# Altium PCB KlusterLab r2.0.PcbDoc (part 14 of 22) (continued)
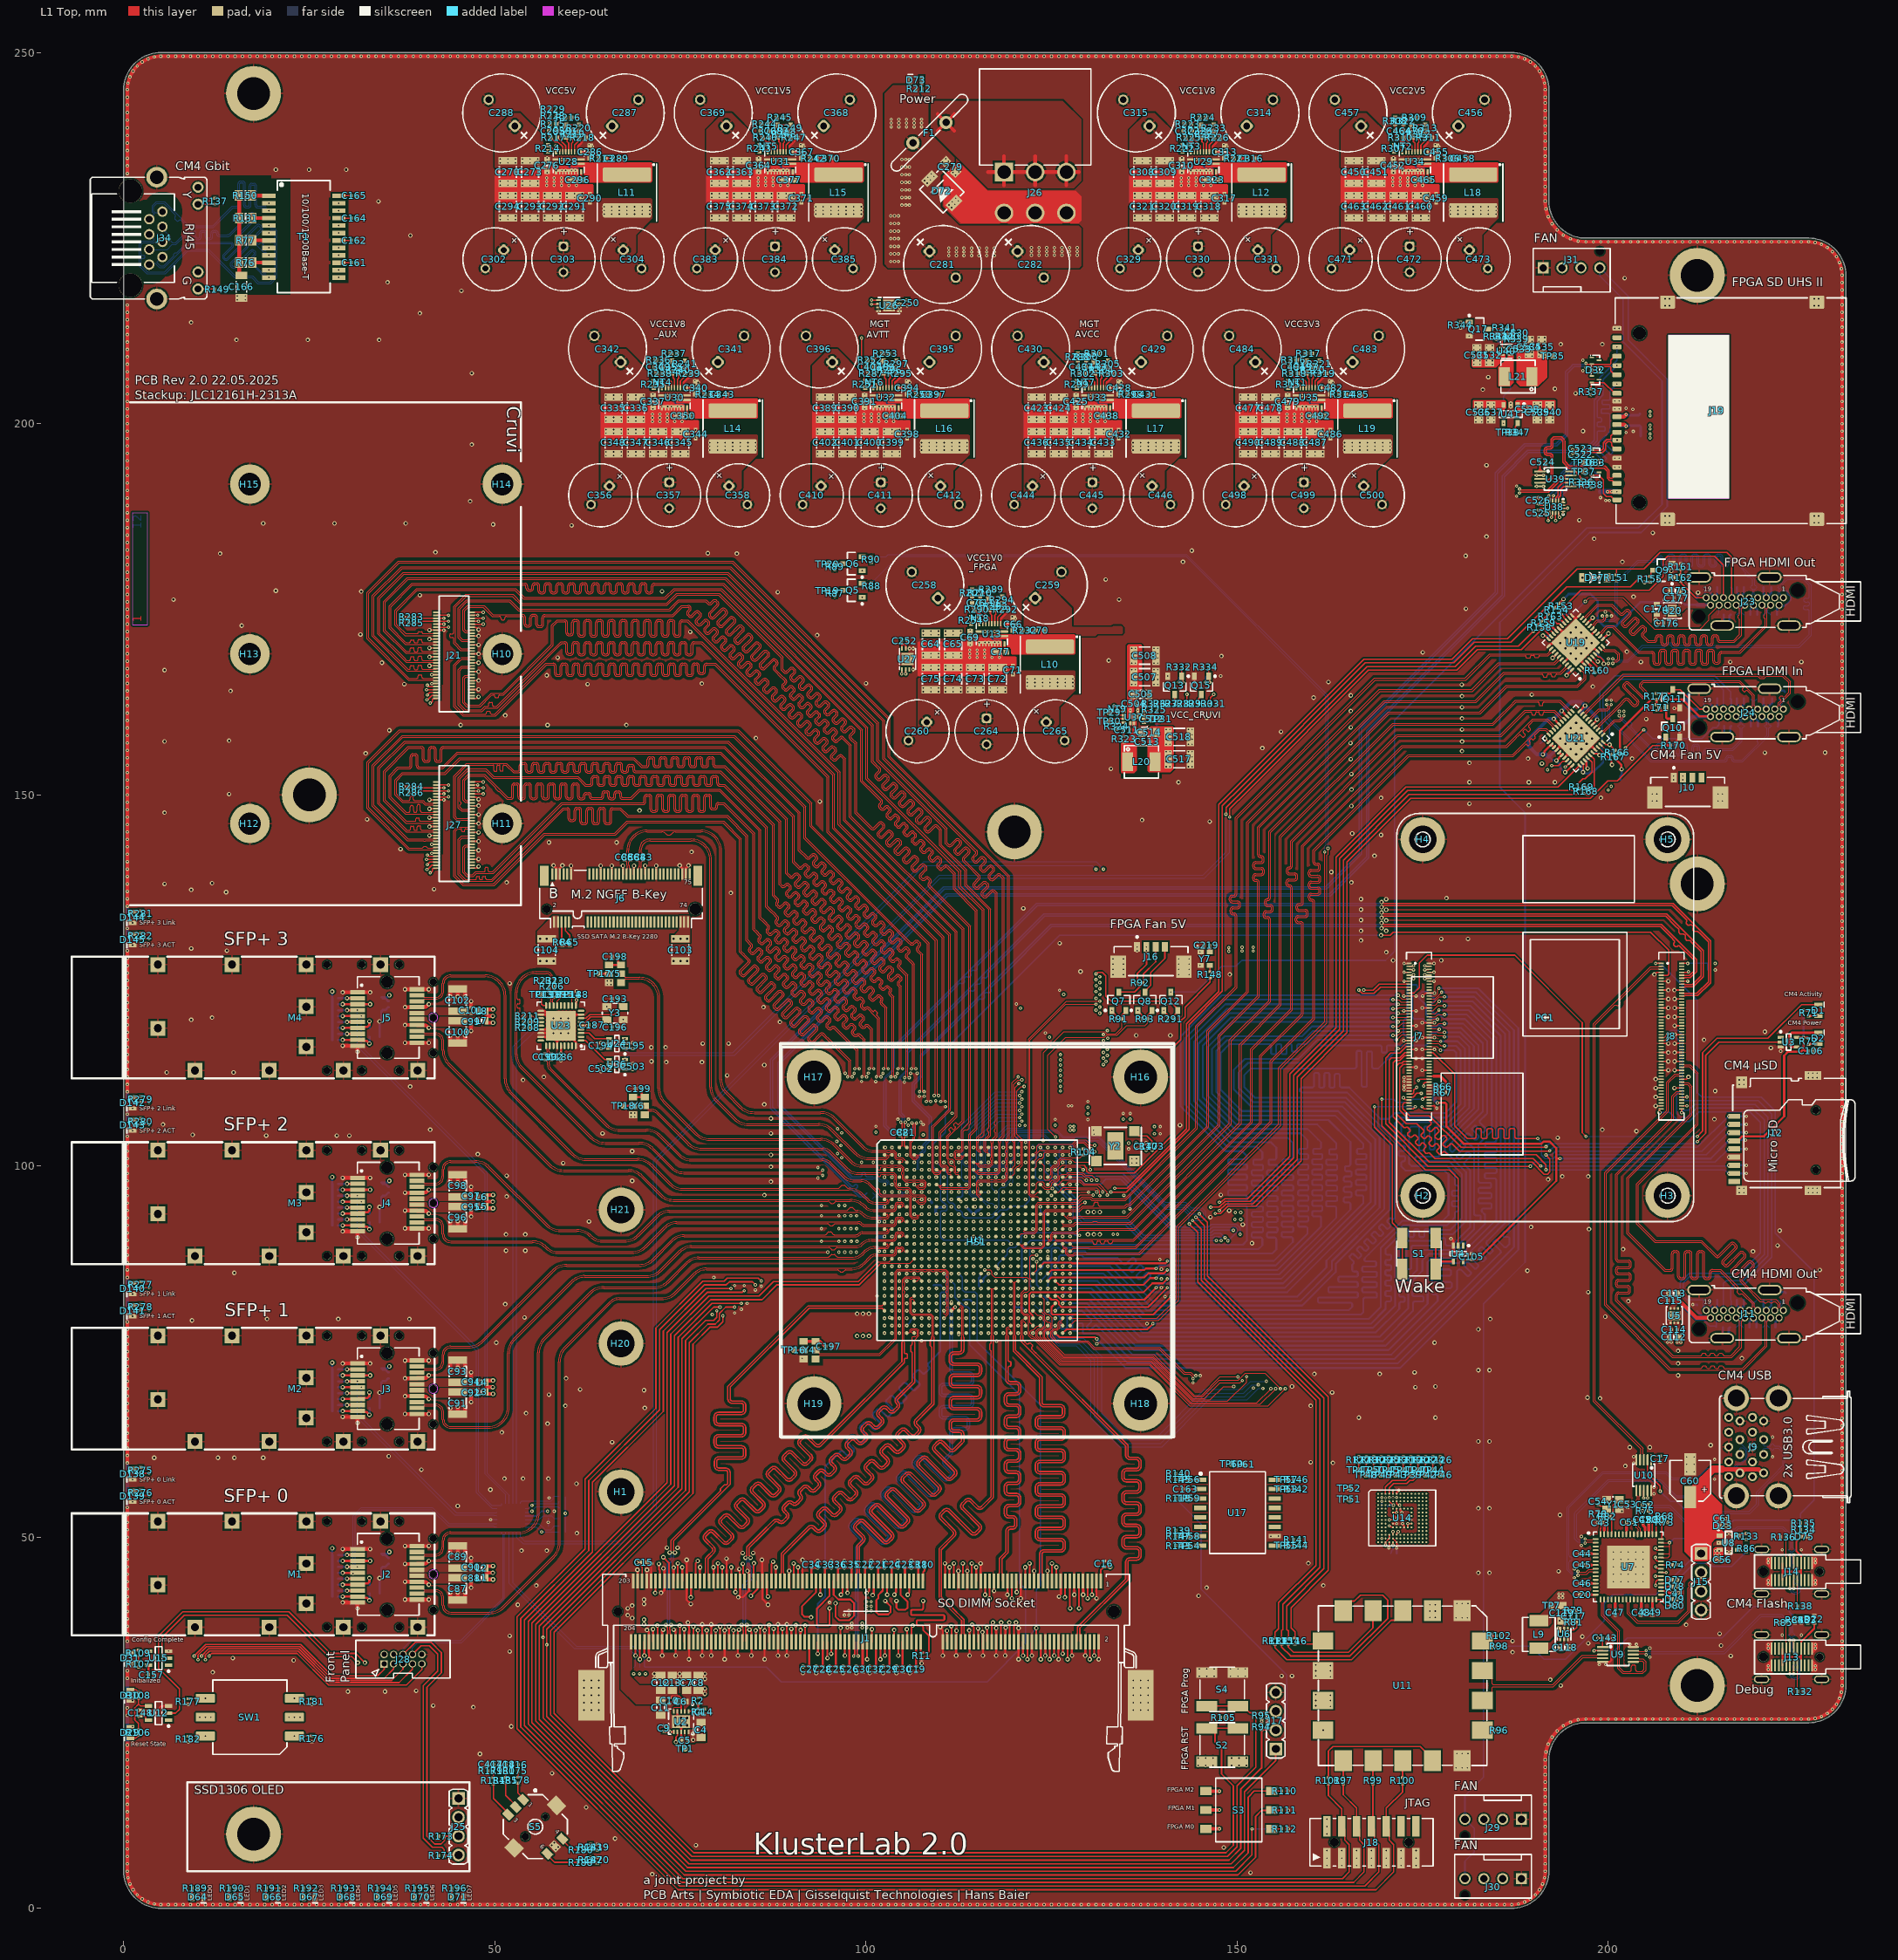
[diagram p0: L1 Top view]
## Nets (pads, with @x,y where several pads share a name; then routed paths per layer and width w, separated by ;. In a path a pad name is that pad's centre, name@x,y a point inside that pad or via, vN(x,y) a via of type N, cw(c..) or ccw(c..) an arc to the next point about the centre after c; other vN are vias at no path point) (continued)
  L1 Top w0.28: C532.2@184,210.25 184.125,210.25 184.625,209.75 v1(185.675,209.75)
  L1 Top w0.3: U23.26@56.19,117.4 57.4,117.4 v1(57.9,117.9) ; U23.25@56.19,117.9 v1(57.9,117.9) ; U23.24@56.19,118.4 U23.37@58.4,118.4 ; U23.20@56.19,120.4 U23.37@57.4,120.4 ; U23.19@56.19,120.9 56.7,120.9 56.799,120.801 56.85,120.75 57.05,120.75 U23.37@57.4,120.4 ; v2(57.9,140.5) 57.9,140.454 58.25,140.104 J6.3@58.25,139.325 ; U23.31@58.4,116.19 U23.37@58.4,118.4 ; J6.5@58.75,139.325 58.75,140.104 59.1,140.454 v2(59.1,140.5) ; J6.11@60.25,139.325 v2(60.25,140.45) ; v1(60.5,239.425) v1(61.35,239.425) 61.35,239.4 61.475,239.275 61.601,239.275 62.075,238.801 62.075,238.675 R218.1@62.2,238.55 ; U23.36@60.9,116.19 60.9,116.7 60.75,116.85 60.75,117.05 v1(59.9,117.9) v1(58.9,118.9) ; 61.237,237.419 62.075,238.257 62.075,238.425 R218.1@62.2,238.55 ; U23.8@61.61,120.4 60.4,120.4 v1(59.9,119.9) v1(58.9,118.9) ; v1(62.225,238.55) R218.1@62.2,238.55 ; J6.27@64.25,139.325 v2(64.25,140.45) ; J6.33@65.75,139.325 v2(65.75,140.45) ; J6.39@67.25,139.325 v2(67.25,140.45) ; U24.2@67.525,116.5 67.569,116.544 68.499,116.544 68.51,116.555 68.56,116.555 v1(68.6,116.597) ; J6.45@68.75,139.325 v2(68.75,140.45) ; J6.51@70.25,139.325 v2(70.25,140.45) ; C15.1@70.495,46.6 70.495,46.55 70.535,46.51 70.909,46.51 70.969,46.45 v2(71.05,46.45) ; J6.57@71.75,139.325 v2(71.75,140.45) ; v1(74.75,207.625) v1(75.6,207.625) 75.6,207.6 75.725,207.475 75.851,207.475 76.325,207.001 76.325,206.875 R239.1@76.45,206.75 ; v2(74.9,140.5) 74.9,140.454 75.25,140.104 J6.71@75.25,139.325 ; 75.487,205.619 76.325,206.457 76.325,206.625 R239.1@76.45,206.75 ; J6.73@75.75,139.325 75.75,140.104 76.1,140.454 v2(76.1,140.5) ; v1(76.475,206.75) R239.1@76.45,206.75 ; v1(89,239.425) v1(89.85,239.425) 89.85,239.4 89.975,239.275 90.101,239.275 90.575,238.801 90.575,238.675 R247.1@90.7,238.55 ; 89.737,237.419 90.575,238.257 90.575,238.425 R247.1@90.7,238.55 ; v1(90.725,238.55) R247.1@90.7,238.55 ; v2(91.5,31.7) 91.581,31.7 91.646,31.765 92.245,31.765 C27.2@92.287,31.808 ; C34.2@92.713,46.693 92.755,46.735 93.354,46.735 93.419,46.8 v2(93.5,46.8) ; v2(93.3,31.7) 93.381,31.7 93.446,31.765 94.045,31.765 C28.2@94.087,31.808 ; C33.2@94.513,46.693 94.555,46.735 95.154,46.735 95.219,46.8 v2(95.3,46.8) ; v2(95.1,31.7) 95.181,31.7 95.246,31.765 95.845,31.765 C25.2@95.887,31.808 ; C36.2@96.313,46.693 96.355,46.735 96.954,46.735 97.019,46.8 v2(97.1,46.8) ; v2(96.9,31.7) 96.981,31.7 97.046,31.765 97.645,31.765 C26.2@97.687,31.808 ; v2(98.7,31.7) 98.781,31.7 98.846,31.765 99.445,31.765 C31.2@99.487,31.808 ; C22.2@99.913,46.693 99.955,46.735 100.556,46.735 100.621,46.8 v2(100.702,46.8) ; v2(100.5,31.7) 100.581,31.7 100.646,31.765 101.245,31.765 C32.2@101.287,31.808 ; C21.2@101.713,46.693 101.755,46.735 102.356,46.735 102.421,46.8 v2(102.502,46.8) ; v2(102.3,31.7) 102.381,31.7 102.446,31.765 103.045,31.765 C29.2@103.087,31.808 ; v1(103.25,207.625) v1(104.1,207.625) 104.1,207.6 104.225,207.475 104.351,207.475 104.825,207.001 104.825,206.875 R295.1@104.95,206.75 ; C24.2@103.513,46.693 103.555,46.735 104.156,46.735 104.221,46.8 v2(104.302,46.8) ; 103.987,205.619 104.825,206.457 104.825,206.625 R295.1@104.95,206.75 ; v2(104.1,31.7) 104.181,31.7 104.246,31.765 104.845,31.765 C30.2@104.887,31.808 ; v1(104.975,206.75) R295.1@104.95,206.75 ; C23.2@105.313,46.693 105.355,46.735 105.954,46.735 106.019,46.8 v2(106.1,46.8) 106.165,46.735 107.06,46.735 C18.2@107.1,46.695 R10.1@107.9,46.695 ; v2(105.9,31.7) 105.981,31.7 106.046,31.765 106.645,31.765 C19.2@106.687,31.808 ; v1(117.5,175.825) v1(118.35,175.825) 118.35,175.8 118.475,175.675 118.601,175.675 119.075,175.201 119.075,175.075 R292.1@119.2,174.95 ; 118.237,173.819 119.075,174.657 119.075,174.825 R292.1@119.2,174.95 ; v1(119.225,174.95) R292.1@119.2,174.95 ; v1(131.75,207.625) v1(132.6,207.625) 132.6,207.6 132.725,207.475 132.851,207.475 133.325,207.001 133.325,206.875 R303.1@133.45,206.75 ; 132.487,205.619 133.325,206.457 133.325,206.625 R303.1@133.45,206.75 ; v1(133.475,206.75) R303.1@133.45,206.75 ; v1(146,239.425) v1(146.85,239.425) 146.85,239.4 146.975,239.275 147.101,239.275 147.575,238.801 147.575,238.675 R226.1@147.7,238.55 ; 146.737,237.419 147.575,238.257 147.575,238.425 R226.1@147.7,238.55 ; v1(147.725,238.55) R226.1@147.7,238.55 ; v1(160.25,207.625) v1(161.1,207.625) 161.1,207.6 161.225,207.475 161.351,207.475 161.825,207.001 161.825,206.875 R319.1@161.95,206.75 ; 160.987,205.619 161.825,206.457 161.825,206.625 R319.1@161.95,206.75 ; v1(161.975,206.75) R319.1@161.95,206.75 ; v1(174.5,239.425) v1(175.35,239.425) 175.35,239.4 175.475,239.275 175.601,239.275 176.075,238.801 176.075,238.675 R311.1@176.2,238.55 ; 175.237,237.419 176.075,238.257 176.075,238.425 R311.1@176.2,238.55 ; v1(176.225,238.55) R311.1@176.2,238.55 ; v1(178.8,90.2) 178.829,90.171 178.934,90.171 179.15,89.955 U4.3@179.15,89.275 179.15,88.55 179.505,88.195 C105.1@181.6,88.195 ; U19.31@191.954,170.032 192.276,170.354 192.382,170.354 192.541,170.513 194.929,170.513 U19.41@195.263,170.513 ; U21.24@193.049,156.071 194.59,157.613 U21.41@195.651,157.613 ; U19.26@193.368,172.408 U19.41@195.263,170.513 ; U19.37@194.075,167.91 U19.41@195.617,169.452 ; U21.27@194.11,155.01 195.651,156.552 U21.41@195.651,157.613 ; U19.21@195.136,174.175 U19.41@195.617,173.695 ; U19.20@196.098,174.175 U19.41@195.617,173.695 ; U19.3@196.805,167.557 195.617,168.745 U19.41@195.617,169.452 ; U19.14@198.219,172.054 U19.41@196.677,170.513 ; U21.37@198.253,156.071 196.712,157.613 U21.41@195.651,157.613 ; U19.8@198.572,169.325 197.385,170.513 U19.41@196.677,170.513 ; v2(208.497,180.154) 208.497,181.109 Q9.2@208.592,181.204 208.62,181.176 209.73,181.176 R161.1@209.757,181.149 ; v1(208.897,161.654) 209.582,161.654 Q11.2@209.647,161.719 ; R170.1@209.192,156.654 209.192,157.283 209.368,157.459 209.472,157.459 209.647,157.634 209.622,157.659 209.622,158.629 v1(209.597,158.654) ; v1(223.225,115.48) U3.3@223.225,116.05 ; C106.1@227.695,115.45 C106.1@227.695,115.5 ; U23.37@57.4,120.4 v1(57.9,119.9) v1(58.9,118.9) ; v1(57.9,117.9) U23.37@58.4,118.4 ; U23.37@58.4,118.4 v1(58.9,118.9) ; U19.41@195.263,170.513 U19.41@195.617,170.513 ; U19.41@195.617,169.452 U19.41@195.617,170.513 ; U19.41@195.617,170.513 U19.41@195.617,173.695 ; U19.41@195.617,170.513 U19.41@196.677,170.513
  L1 Top w0.35: U37.1@136.6,160.95 136.6,160.75 U37.11@137.45,160.75 137.85,160.75 137.944,160.656 138.445,160.656 v1(138.45,160.661)
  L1 Top w0.4: U1.AC10@111.5,80.5 v1(112.002,81) ; v1(144.25,165.166) Q15.2@144.25,165.985
  L1 Top w0.45: v1@0.5,22.2 v1(0.5,20) v1(0.5,16) v1(0.5,13) v1(0.5,11) v1(0.5,7) v1(0.5,5) ccw(c5,5) v1(5,0.5) v1(8,0.5) v1(11,0.5) v1(14,0.5) v1(15,0.5) v1(20,0.5) v1(23,0.5) v1(27,0.5) v1(33,0.5) v1(34,0.5) v1(37,0.5) v1(43,0.5) v1(45,0.5) v1(47,0.5) v1(50,0.5) v1(51,0.5) v1(57,0.5) v1(59,0.5) v1(62,0.5) v1(64,0.5) v1(68,0.5) v1(71,0.5) v1(73,0.5) v1(75,0.5) v1(80,0.499) v1(83,0.499) v1(87,0.499) v1(90,0.499) v1(94,0.499) v1(96,0.5) v1(99,0.5) v1(102,0.5) v1(105,0.5) v1(110,0.5) v1(112,0.5) v1(117,0.5) v1(121,0.5) v1(122,0.5) v1(124,0.5) v1(127,0.5) v1(130,0.5) v1(133,0.5) v1(135,0.5) v1(138,0.5) v1(141,0.5) v1(142,0.5) v1(146,0.5) v1(147,0.5) v1(151,0.5) v1(156,0.5) v1(161,0.499) v1(166,0.499) v1(172,0.499) v1(176,0.499) v1(179,0.499) v1(182,0.499) v1(186,0.5) v1(187,0.5) ccw(c187,5) v1(191.5,5) ; v1(0.5,26) v1(0.5,27) ; v1(0.5,31) v1(0.5,32) ; v1(0.5,36) 0.5,36.983 v1(0.5,38) 0.5,38.983 v1(0.5,39) v1(0.5,42) v1(0.5,45) v1(0.5,47) 0.5,52.974 v1(0.5,54) ; v1(0.5,60) v1(0.5,63) v1(0.5,66) v1(0.5,69) v1(0.5,72) v1(0.501,74) v1(0.501,76) 0.5,77.974 v1(0.501,79) ; v1(0.501,85) v1(0.501,88) v1(0.5,93) v1(0.5,96) v1(0.5,97) v1(0.5,100) 0.5,102.974 v1(0.5,104) ; v1(0.5,110) v1(0.5,112) v1(0.5,117) v1(0.5,120) v1(0.5,123) v1(0.5,125) v1(0.5,127) 0.5,127.974 v1(0.5,129) ; v1(0.5,135) v1(0.5,137) v1(0.5,138) v1(0.5,139) v1(0.5,141) v1(0.5,142) v1(0.5,143) v1(0.5,145) v1(0.5,146) v1(0.5,148) v1(0.5,149) v1(0.5,150) v1(0.5,151) v1(0.5,153) v1(0.5,154) v1(0.501,157) v1(0.501,158) v1(0.501,161) v1(0.501,162) v1(0.501,163) v1(0.501,165) v1(0.501,166) v1(0.501,167) v1(0.501,169) v1(0.501,170) v1(0.501,172) v1(0.501,173) v1(0.501,174) v1(0.501,175) v1(0.501,177) v1(0.501,178) v1(0.5,181) v1(0.5,182) v1(0.5,185) v1(0.5,186) v1(0.5,189) v1(0.5,190) v1(0.5,193) v1(0.5,194) v1(0.5,197) v1(0.5,198) v1(0.5,201) v1(0.5,202) v1(0.5,205) v1(0.5,206) v1(0.5,209) v1(0.5,210) v1(0.5,213) v1(0.5,214) v1(0.5,215.974) ; v1(0.5,233.713) v1(0.5,235.765) v1(0.5,236.792) v1(0.5,237.818) v1(0.5,238.844) v1(0.501,239.87) v1(0.501,240.896) v1(0.501,241.922) v1(0.501,242.948) ; v1@0.5,244.986 ccw(c0.05,244.989) 0.5,244.992 v1(0.5,245) ; v1(0.501,242.948) 0.501,243.973 v1(0.5,243.974) v1(0.5,245) ; v1(191.5,20) cw(c197,20) v1(197,25.5) v1(201,25.5) v1(202,25.5) v1(205,25.5) v1(208,25.5) v1(211,25.5) v1(212,25.5) v1(214,25.5) 218,25.5 224,25.5 v1(227,25.5) ccw(c227,30) v1(231.5,30) v1(231.5,33) v1(231.5,36) v1(231.5,38) v1(231.5,43) v1(231.5,45) 231.5,46 v1(231.499,49) v1(231.499,55) v1(231.499,59) v1(231.499,61) v1(231.499,63) v1(231.499,68) v1(231.5,71) v1(231.5,77) v1(231.5,78) v1(231.5,80) v1(231.5,83) v1(231.5,87) v1(231.5,90) v1(231.5,96) v1(231.5,101) v1(231.5,106) v1(231.5,109) v1(231.5,110) v1(231.5,113) v1(231.5,115) v1(231.5,118) v1(231.5,120) v1(231.5,122) v1(231.5,127) v1(231.5,130) v1(231.5,132) v1(231.5,133) v1(231.499,136) v1(231.499,138) v1(231.499,140) v1(231.499,141) v1(231.499,142) v1(231.499,145) v1(231.5,152) v1(231.5,158) v1(231.5,161) v1(231.5,162) v1(231.5,165) v1(231.5,170) v1(231.5,172) v1(231.5,173) v1(231.5,178) v1(231.5,182) v1(231.5,186) v1(231.5,193) v1(231.5,195) v1(231.5,199) v1(231.5,203) v1(231.5,204) v1(231.5,205) v1(231.5,210) v1(231.5,214) v1(231.5,217) v1(231.5,218) v1(231.5,220) ccw(c227,220) v1(227,224.5) v1@224.992,224.5 ; v1(191.5,5) v1(191.5,7) v1(191.5,10) v1(191.5,12) v1(191.5,13) v1(191.5,16) v1(191.5,20) ; v1@224.986,224.5 ccw(c224.989,224.95) v1@224.992,224.5 ; v1(225,224.5) v1@224.992,224.5 ; v1(0.5,245) cw(c5,245) v1(5,249.5) v1(8,249.5) v1(12,249.5) v1(14,249.5) v1(17,249.5) v1(21,249.5) v1(25,249.5) v1(26,249.5) v1(29,249.5) v1(32,249.5) v1(40,249.5) v1(41,249.5) v1(44,249.5) v1(47,249.5) v1(51,249.5) v1(54,249.5) v1(57,249.5) v1(58,249.5) v1(62,249.5) v1(66,249.5) v1(69,249.5) v1(74,249.5) v1(78,249.5) v1(83,249.5) v1(87,249.5) v1(91,249.5) v1(94,249.5) v1(97,249.5) v1(102,249.5) v1(105,249.5) v1(107,249.5) v1(113,249.5) v1(116,249.5) v1(119,249.5) v1(122,249.5) v1(126,249.5) v1(133,249.5) v1(137,249.5) v1(142,249.5) v1(143,249.5) v1(146,249.5) v1(149,249.5) v1(154,249.5) v1(157,249.5) v1(160,249.5) v1(163,249.5) v1(166,249.5) v1(169,249.5) v1(172,249.5) v1(179,249.5) v1(181,249.5) v1(185,249.5) v1(187,249.5) cw(c187,245) v1(191.5,245) v1(191.5,243.974) v1(191.502,243.209) v1(191.502,242.182) v1(191.501,241.156) v1(191.501,240.13) v1(191.501,239.104) v1(191.501,238.078) v1(191.5,237.052) v1(191.5,236.026) v1(191.5,235) v1(191.5,233.974) v1(191.5,232.948) 191.5,231.922 191.5,230.896 v1(191.5,230) ccw(c197,230) v1(197,224.5) v1(200,224.5) v1(205,224.5) v1(207,224.5) v1(209,224.5) v1(211,224.5) v1(212,224.5) v1(215,224.5) v1(217,224.5) v1(220,224.5) v1@224.992,224.5
  L1 Top w0.5: v2(29.5,41.2) J2.10@31.5,41.2 v2(31.5,40.4) ; v2(29.5,48.4) J2.1@31.5,48.4 v2(33.2,48.4) ; v2(29.5,66.2) J3.10@31.5,66.2 v2(31.5,65.4) ; v2(29.5,73.4) J3.1@31.5,73.4 v2(33.2,73.4) ; v2(29.5,91.2) J4.10@31.5,91.2 v2(31.5,90.4) ; v2(29.5,98.4) J4.1@31.5,98.4 v2(33.2,98.4) ; v2(29.5,116.2) J5.10@31.5,116.2 v2(31.5,115.4) ; v2(29.5,123.4) J5.1@31.5,123.4 v2(33.2,123.4) ; v2(37.9,41.6) J2.11@39.5,41.6 v2(41.1,41.6) ; v2(37.9,44) J2.14@39.5,44 39.55,43.95 40.723,43.95 41.073,43.6 v2(41.1,43.6) ; v2(37.9,46.4) J2.17@39.5,46.4 39.55,46.45 40.723,46.45 41.073,46.8 v2(41.1,46.8) ; v2(37.9,48.8) J2.20@39.5,48.8 v2(41.1,48.8) ; v2(37.9,66.6) v2(41.1,66.6) ; v2(37.9,69) J3.14@39.5,69 39.55,68.95 40.723,68.95 41.073,68.6 v2(41.1,68.6) ; v2(37.9,71.4) J3.17@39.5,71.4 39.55,71.45 40.723,71.45 41.073,71.8 v2(41.1,71.8) ; v2(37.9,73.8) v2(41.1,73.8) ; v2(37.9,91.6) J4.11@39.5,91.6 v2(41.1,91.6) ; v2(37.9,94) J4.14@39.5,94 39.55,93.95 40.723,93.95 41.073,93.6 v2(41.1,93.6) ; v2(37.9,96.4) J4.17@39.5,96.4 39.55,96.45 40.723,96.45 41.073,96.8 v2(41.1,96.8) ; v2(37.9,98.8) J4.20@39.5,98.8 v2(41.1,98.8) ; v2(37.9,116.6) J5.11@39.5,116.6 v2(41.1,116.6) ; v2(37.9,119) J5.14@39.5,119 39.55,118.95 40.723,118.95 41.073,118.6 v2(41.1,118.6) ; v2(37.9,121.4) J5.17@39.5,121.4 39.55,121.45 40.723,121.45 41.073,121.8 v2(41.1,121.8) ; v2(37.9,123.8) J5.20@39.5,123.8 v2(41.1,123.8) ; C87.2@44,41.55 v2(44,42.6) ; v2(44,47.8) C89.2@44,48.85 ; C91.2@44,66.35 v2(44,67.4) ; v2(44,72.6) C93.2@44,73.65 ; C96.2@44,91.55 v2(44,92.6) ; v2(44,97.8) C98.2@44,98.85 ; C100.2@44,116.55 v2(44,117.6) ; v2(44,122.8) C102.2@44,123.85 ; C87.2@45,41.55 v2(45,42.6) ; v2(45,47.8) C89.2@45,48.85 ; C91.2@45,66.55 v2(45,67.6) ; v2(45,72.8) C93.2@45,73.85 ; C96.2@45,91.55 v2(45,92.6) ; v2(45,97.8) C98.2@45,98.85 ; C100.2@45,116.55 v2(45,117.6) ; v2(45,122.8) C102.2@45,123.85 ; C87.2@46,41.55 v2(46,42.6) ; v2(46,47.8) C89.2@46,48.85 ; C91.2@46,66.55 v2(46,67.6) ; v2(46,72.8) C93.2@46,73.85 ; C96.2@46,91.55 v2(46,92.6) ; v2(46,97.8) C98.2@46,98.85 ; C100.2@46,116.55 v2(46,117.6) ; v2(46,122.8) C102.2@46,123.85 ; v2(46.8,43.2) C88.2@46.8,44.055 ; C90.2@46.8,46.345 v2(46.8,47.2) ; v2(46.8,68.2) C92.2@46.8,69.055 ; C94.2@46.8,71.345 v2(46.8,72.2) ; v2(46.8,93.2) C95.2@46.8,94.055 ; C97.2@46.8,96.345 v2(46.8,97.2) ; v2(46.8,118.2) C99.2@46.8,119.055 ; C101.2@46.8,121.345 v2(46.8,122.2) ; U17.10@155.05,50.125 155.063,50.138 v1(155.578,50.138)
  L3 Inner2 (Sig) w0.45: v1(0.5,215.974) v1(0.5,214) v1(0.5,212) v1(0.5,210) v1(0.5,209) v1(0.5,207) v1(0.5,204) v1(0.5,201) v1(0.5,197) v1(0.5,196) v1(0.5,189) v1(0.5,188) v1(0.5,186) v1(0.5,184) v1(0.5,183) v1(0.5,180) v1(0.501,175) v1(0.501,170) v1(0.501,169) v1(0.501,167) v1(0.501,165) v1(0.501,160) v1(0.501,159) v1(0.501,157) v1(0.501,156) v1(0.5,153) v1(0.5,151) v1(0.5,148) v1(0.5,146) v1(0.5,144) v1(0.5,143) v1(0.5,138) v1(0.5,132.026) v1(0.5,129) v1(0.5,126) v1(0.5,125) v1(0.5,123) v1(0.5,121) v1(0.5,118) v1(0.5,117) v1(0.5,114) v1(0.5,112) v1(0.5,104) v1(0.5,103) v1(0.5,102) v1(0.5,97) v1(0.5,94) v1(0.5,91) v1(0.5,90) v1(0.501,88) v1(0.501,78) v1(0.501,77) v1(0.5,73) v1(0.5,69) v1(0.5,68) v1(0.5,65) v1(0.5,64) v1(0.5,61) v1(0.5,52) v1(0.5,51) v1(0.5,47) v1(0.5,46) v1(0.5,43) v1(0.5,38) v1(0.5,37) v1(0.5,36) v1(0.5,31) v1(0.5,26) v1(0.5,22) v1(0.5,20) v1(0.5,17) v1(0.5,13) v1(0.5,12) v1(0.5,11) v1(0.5,8) v1(0.5,5) ccw(c5,5) v1(5,0.5) v1(8,0.5) v1(11,0.5) v1(14,0.5) v1(20,0.5) v1(24,0.5) v1(27,0.5) v1(33,0.5) v1(34,0.5) v1(39,0.5) v1(43,0.5) v1(45,0.5) v1(47,0.5) v1(50,0.5) v1(51,0.5) v1(56,0.5) v1(59,0.5) v1(62,0.5) v1(67,0.5) v1(69,0.5) v1(72,0.5) v1(77,0.5) v1(80,0.499) v1(82,0.499) v1(86,0.499) v1(89,0.499) v1(90,0.499) v1(93,0.499) v1(96,0.5) v1(102,0.5) v1(105,0.5) v1(108,0.5) v1(110,0.5) v1(115,0.5) v1(117,0.5) v1(121,0.5) v1(123,0.5) v1(126,0.5) v1(129,0.5) v1(131,0.5) v1(133,0.5) v1(138,0.5) v1(141,0.5) v1(142,0.5) v1(143,0.5) v1(148,0.5) v1(150,0.5) v1(156,0.5) v1(162,0.499) v1(166,0.499) v1(174,0.499) v1(176,0.499) v1(178,0.499) v1(184,0.499) v1(187,0.5) ccw(c187,5) v1(191.5,5) ; v1(0.5,233.713) v1(0.5,235.765) v1(0.5,237.818) v1(0.501,240.896) 0.501,243.973 v1(0.5,243.974) v1(0.5,245) cw(c5,245) v1(5,249.5) v1(7,249.5) v1(9,249.5) v1(12,249.5) v1(16,249.5) v1(18,249.5) v1(22,249.5) v1(28,249.5) v1(31,249.5) v1(32,249.5) v1(37,249.5) v1(39,249.5) v1(43,249.5) v1(45,249.5) v1(48,249.5) v1(51,249.5) v1(54,249.5) v1(57,249.5) v1(58,249.5) v1(62,249.5) v1(65,249.5) v1(68,249.5) v1(73,249.5) v1(77,249.5) v1(80,249.5) v1(83,249.5) v1(84,249.5) v1(87,249.5) v1(92,249.5) v1(95,249.5) v1(97,249.5) v1(103,249.5) v1(109,249.5) v1(111,249.5) v1(113,249.5) v1(118,249.5) v1(119,249.5) v1(122,249.5) v1(125,249.5) v1(128,249.5) v1(131,249.5) v1(135,249.5) v1(138,249.5) v1(141,249.5) v1(143,249.5) v1(146,249.5) v1(149,249.5) v1(150,249.5) v1(153,249.5) v1(157,249.5) v1(158,249.5) v1(161,249.5) v1(163,249.5) v1(166,249.5) v1(169,249.5) v1(171,249.5) v1(173,249.5) v1(176,249.5) v1(180,249.5) v1(182,249.5) v1(187,249.5) cw(c187,245) v1(191.5,245) v1(191.502,242.182) v1(191.5,236.026) v1(191.5,235) 191.5,231.922 v1(191.5,230) ccw(c197,230) v1(197,224.5) v1(201,224.5) v1(205,224.5) v1(209,224.5) v1(211,224.5) v1(212,224.5) v1(214,224.5) v1(217,224.5) v1(221,224.5) v1(224,224.5) v1(227,224.5) cw(c227,220) v1(231.5,220) v1(231.5,218) v1(231.5,217) v1(231.5,214) v1(231.5,210) v1(231.5,205) v1(231.5,204) v1(231.5,203) v1(231.5,197) v1(231.5,196) v1(231.5,193) v1(231.5,187) v1(231.5,184) v1(231.5,180) v1(231.5,175) v1(231.5,173) v1(231.5,172) v1(231.5,171) v1(231.5,168) v1(231.5,165) v1(231.5,163) v1(231.5,160) v1(231.5,156) v1(231.5,155) v1(231.499,150) v1(231.499,148) v1(231.499,145) v1(231.499,142) v1(231.499,141) v1(231.499,140) v1(231.499,136) v1(231.5,133) v1(231.5,132) v1(231.5,129) v1(231.5,126) v1(231.5,122) v1(231.5,119) v1(231.5,115) v1(231.5,110) v1(231.5,109) v1(231.5,106) v1(231.5,102) v1(231.5,99) v1(231.5,94) v1(231.5,93) v1(231.5,89) v1(231.5,86) v1(231.5,83) v1(231.5,78) v1(231.5,77) v1(231.5,76) v1(231.5,73) v1(231.499,66) v1(231.499,65) v1(231.499,60) v1(231.499,58) v1(231.499,56) v1(231.499,53) v1(231.499,49) 231.5,46 v1(231.5,45) v1(231.5,41) v1(231.5,36) v1(231.5,33) v1(231.5,30) cw(c227,30) v1(227,25.5) 224,25.5 221,25.5 219,25.5 217,25.5 v1(215,25.5) v1(212,25.5) v1(211,25.5) v1(207,25.5) v1(204,25.5) v1(201,25.5) v1(199,25.5) v1(197,25.5) ccw(c197,20) v1(191.5,20) ; v1(191.5,5) v1(191.5,12) v1(191.5,13) v1(191.5,16) v1(191.5,20)
  L5 Inner4 (PWR) w0.45: v1(0.5,215.974) v1(0.5,214) v1(0.5,212) v1(0.5,210) v1(0.5,209) v1(0.5,206) v1(0.5,202) v1(0.5,201) v1(0.5,197) v1(0.5,196) v1(0.5,194) v1(0.5,192) v1(0.5,189) v1(0.5,186) v1(0.5,184) v1(0.5,183) v1(0.5,180) v1(0.501,178) v1(0.501,175) v1(0.501,173) v1(0.501,170) v1(0.501,169) v1(0.501,164) v1(0.501,161) v1(0.501,157) v1(0.501,156) v1(0.5,152) v1(0.5,148) v1(0.5,146) v1(0.5,144) v1(0.5,143) v1(0.5,140) v1(0.5,139) v1(0.5,136) v1(0.5,132.026) v1(0.5,129) v1(0.5,126) v1(0.5,122) v1(0.5,118) v1(0.5,117) v1(0.5,116) v1(0.5,113) v1(0.5,112) v1(0.5,104) v1(0.5,103) v1(0.5,99) v1(0.5,96) v1(0.5,94) v1(0.5,91) v1(0.5,90) v1(0.501,78) v1(0.501,77) v1(0.501,75) v1(0.5,73) v1(0.5,69) v1(0.5,67) v1(0.5,65) v1(0.5,64) v1(0.5,61) v1(0.5,52) v1(0.5,51) v1(0.5,50) v1(0.5,47) v1(0.5,45) v1(0.5,42) v1(0.5,38) v1(0.5,37) v1(0.5,32) v1(0.5,31) v1(0.5,26) v1(0.5,22) v1(0.5,20) v1(0.5,16) v1(0.5,12) v1(0.5,11) v1(0.5,9) v1(0.5,5) ccw(c5,5) v1(5,0.5) v1(6,0.5) v1(11,0.5) v1(14,0.5) v1(16,0.5) v1(18,0.5) v1(20,0.5) v1(25,0.5) v1(28,0.5) v1(31,0.5) v1(35,0.5) v1(38,0.5) v1(41,0.5) v1(45,0.5) v1(50,0.5) v1(51,0.5) v1(53,0.5) v1(56,0.5) v1(57,0.5) v1(62,0.5) v1(64,0.5) v1(67,0.5) v1(68,0.5) v1(72,0.5) v1(77,0.5) v1(80,0.499) v1(83,0.499) v1(84,0.499) v1(87,0.499) v1(91,0.499) v1(94,0.499) v1(96,0.5) v1(99,0.5) v1(103,0.5) v1(105,0.5) v1(110,0.5) v1(112,0.5) v1(115,0.5) v1(119,0.5) v1(122,0.5) v1(125,0.5) v1(128,0.5) v1(131,0.5) v1(136,0.5) v1(139,0.5) v1(141,0.5) v1(142,0.5) v1(145,0.5) v1(147,0.5) v1(150,0.5) v1(153,0.5) v1(156,0.5) v1(158,0.5) v1(160,0.5) v1(166,0.499) v1(169,0.499) v1(172,0.499) v1(178,0.499) v1(184,0.499) v1(186,0.5) v1(187,0.5) ccw(c187,5) v1(191.5,5) ; v1(0.5,233.713) v1(0.5,236.792) v1(0.5,237.818) v1(0.501,240.896) 0.501,243.973 v1(0.5,243.974) v1(0.5,245) cw(c5,245) v1(5,249.5) v1(6,249.5) v1(9,249.5) v1(13,249.5) v1(16,249.5) v1(19,249.5) v1(25,249.5) v1(26,249.5) v1(30,249.5) v1(32,249.5) v1(36,249.5) v1(39,249.5) v1(42,249.5) v1(45,249.5) v1(48,249.5) v1(51,249.5) v1(54,249.5) v1(55,249.5) v1(60,249.5) v1(62,249.5) v1(65,249.5) v1(69,249.5) v1(74,249.5) v1(76,249.5) v1(80,249.5) v1(83,249.5) v1(86,249.5) v1(89,249.5) v1(90,249.5) v1(93,249.5) v1(98,249.5) v1(102,249.5) v1(105,249.5) v1(109,249.5) v1(115,249.5) v1(118,249.5) v1(119,249.5) v1(123,249.5) v1(127,249.5) v1(129,249.5) v1(132,249.5) v1(138,249.5) v1(140,249.5) v1(146,249.5) v1(151,249.5) v1(153,249.5) v1(157,249.5) v1(160,249.5) v1(166,249.5) v1(167,249.5) v1(170,249.5) v1(173,249.5) v1(175,249.5) v1(178,249.5) v1(181,249.5) v1(185,249.5) v1(187,249.5) cw(c187,245) v1(191.5,245) v1(191.501,241.156) v1(191.501,240.13) v1(191.5,236.026) v1(191.5,235) v1(191.5,233.974) 191.5,231.922 v1(191.5,230) ccw(c197,230) v1(197,224.5) v1(201,224.5) v1(203,224.5) v1(204,224.5) v1(207,224.5) v1(211,224.5) v1(212,224.5) v1(215,224.5) v1(222,224.5) v1(227,224.5) cw(c227,220) v1(231.5,220) v1(231.5,214) v1(231.5,208) v1(231.5,205) v1(231.5,204) v1(231.5,203) v1(231.5,197) v1(231.5,196) v1(231.5,193) v1(231.5,187) v1(231.5,184) v1(231.5,178) v1(231.5,173) v1(231.5,172) v1(231.5,168) v1(231.5,165) v1(231.5,162) v1(231.5,157) v1(231.5,155) v1(231.5,152) v1(231.499,149) v1(231.499,144) v1(231.499,143) v1(231.499,141) v1(231.499,140) v1(231.499,136) v1(231.5,133) v1(231.5,129) v1(231.5,125) v1(231.5,121) v1(231.5,117) v1(231.5,115) v1(231.5,110) v1(231.5,109) v1(231.5,108) v1(231.5,102) v1(231.5,99) v1(231.5,95) v1(231.5,93) v1(231.5,89) v1(231.5,87) v1(231.5,83) v1(231.5,80) v1(231.5,78) v1(231.5,77) v1(231.5,74) v1(231.5,71) v1(231.499,66) v1(231.499,63) v1(231.499,60) v1(231.499,58) v1(231.499,56) v1(231.499,50) v1(231.499,48) 231.5,46 v1(231.5,45) v1(231.5,42) v1(231.5,36) v1(231.5,33) v1(231.5,30) cw(c227,30) v1(227,25.5) 225,25.5 222,25.5 220,25.5 218,25.5 v1(215,25.5) v1(212,25.5) v1(211,25.5) v1(206,25.5) v1(204,25.5) v1(201,25.5) v1(197,25.5) ccw(c197,20) v1(191.5,20) ; v1(191.5,5) v1(191.5,10) v1(191.5,12) v1(191.5,13) v1(191.5,16) v1(191.5,20)
  L6 Inner5 (PWR) w0.45: v1(0.5,215.974) v1(0.5,214) v1(0.5,210) v1(0.5,209) v1(0.5,206) v1(0.5,204) v1(0.5,200) v1(0.5,197) v1(0.5,196) v1(0.5,189) v1(0.5,184) v1(0.5,183) v1(0.5,180) v1(0.501,177) v1(0.501,175) v1(0.501,172) v1(0.501,170) v1(0.501,169) v1(0.501,168) v1(0.501,165) v1(0.501,163) v1(0.501,161) v1(0.501,157) v1(0.501,156) v1(0.5,154) v1(0.5,152) v1(0.5,149) v1(0.5,144) v1(0.5,143) v1(0.5,141) v1(0.5,135) v1(0.5,132.026) v1(0.5,129) v1(0.5,126) v1(0.5,125) v1(0.5,122) v1(0.5,118) v1(0.5,117) v1(0.5,113) v1(0.5,112) v1(0.5,104) v1(0.5,103) v1(0.5,102) v1(0.5,97) v1(0.5,94) v1(0.5,91) v1(0.5,90) v1(0.501,88) v1(0.501,86) v1(0.501,78) v1(0.501,77) v1(0.501,75) v1(0.5,73) v1(0.5,70) v1(0.5,68) v1(0.5,65) v1(0.5,64) v1(0.5,61) v1(0.5,52) v1(0.5,51) v1(0.5,49) v1(0.5,46) v1(0.5,42) v1(0.5,41) v1(0.5,38) v1(0.5,37) v1(0.5,31) v1(0.5,26) v1(0.5,22) v1(0.5,20) v1(0.5,19) v1(0.5,17) v1(0.5,15) v1(0.5,12) v1(0.5,11) v1(0.5,8) v1(0.5,7) v1(0.5,5) ccw(c5,5) v1(5,0.5) v1(8,0.5) v1(11,0.5) v1(12,0.5) v1(17,0.5) v1(22,0.5) v1(24,0.5) v1(26,0.5) v1(30,0.5) v1(37,0.5) v1(43,0.5) v1(44,0.5) v1(47,0.5) v1(50,0.5) v1(51,0.5) v1(53,0.5) v1(56,0.5) v1(59,0.5) v1(60,0.5) v1(63,0.5) v1(65,0.5) v1(68,0.5) v1(71,0.5) v1(75,0.5) v1(81,0.499) v1(82,0.499) v1(87,0.499) v1(92,0.499) v1(94,0.499) v1(96,0.5) v1(100,0.5) v1(103,0.5) v1(107,0.5) v1(110,0.5) v1(112,0.5) v1(115,0.5) v1(117,0.5) v1(120,0.5) v1(122,0.5) v1(127,0.5) v1(129,0.5) v1(133,0.5) v1(134,0.5) v1(138,0.5) v1(141,0.5) v1(142,0.5) v1(145,0.5) v1(148,0.5) v1(151,0.5) v1(156,0.5) v1(159,0.5) v1(162,0.499) v1(165,0.499) v1(169,0.499) v1(172,0.499) v1(176,0.499) v1(179,0.499) v1(184,0.499) v1(185,0.5) v1(187,0.5) ccw(c187,5) v1(191.5,5) ; v1(0.5,233.713) v1(0.5,236.792) v1(0.5,237.818) v1(0.501,240.896) 0.501,243.973 v1(0.5,243.974) v1(0.5,245) cw(c5,245) v1(5,249.5) v1(8,249.5) v1(9,249.5) v1(14,249.5) v1(17,249.5) v1(19,249.5) v1(21,249.5) v1(25,249.5) v1(28,249.5) v1(29,249.5) v1(32,249.5) v1(37,249.5) v1(40,249.5) v1(42,249.5) v1(45,249.5) v1(49,249.5) v1(54,249.5) v1(57,249.5) v1(62,249.5) v1(66,249.5) v1(68,249.5) v1(71,249.5) v1(74,249.5) v1(80,249.5) v1(81,249.5) v1(84,249.5) v1(87,249.5) v1(94,249.5) v1(97,249.5) v1(102,249.5) v1(103,249.5) v1(109,249.5) v1(113,249.5) v1(118,249.5) v1(120,249.5) v1(125,249.5) v1(129,249.5) v1(132,249.5) v1(135,249.5) v1(138,249.5) v1(141,249.5) v1(146,249.5) v1(149,249.5) v1(153,249.5) v1(160,249.5) v1(164,249.5) v1(167,249.5) v1(171,249.5) v1(173,249.5) v1(177,249.5) v1(180,249.5) v1(182,249.5) v1(187,249.5) cw(c187,245) v1(191.5,245) v1(191.502,242.182) v1(191.501,240.13) v1(191.5,236.026) v1(191.5,235) 191.5,231.922 v1(191.5,230) ccw(c197,230) v1(197,224.5) v1(202,224.5) v1(205,224.5) v1(207,224.5) v1(209,224.5) v1(211,224.5) v1(212,224.5) v1(214,224.5) v1(218,224.5) v1(220,224.5) v1(222,224.5) v1(227,224.5) cw(c227,220) v1(231.5,220) v1(231.5,217) v1(231.5,212) v1(231.5,205) v1(231.5,204) v1(231.5,202) v1(231.5,200) v1(231.5,197) v1(231.5,195) v1(231.5,193) v1(231.5,187) v1(231.5,184) v1(231.5,181) v1(231.5,178) v1(231.5,177) v1(231.5,175) v1(231.5,173) v1(231.5,172) v1(231.5,171) v1(231.5,168) v1(231.5,165) v1(231.5,162) v1(231.5,161) v1(231.5,156) v1(231.5,155) v1(231.499,151) v1(231.499,149) v1(231.499,146) v1(231.499,142) v1(231.499,141) v1(231.499,140) v1(231.499,136) v1(231.5,133) v1(231.5,130) v1(231.5,127) v1(231.5,121) v1(231.5,119) v1(231.5,115) v1(231.5,113) v1(231.5,110) v1(231.5,109) v1(231.5,106) v1(231.5,102) v1(231.5,99) v1(231.5,96) v1(231.5,93) v1(231.5,91) v1(231.5,86) v1(231.5,83) v1(231.5,82) v1(231.5,78) v1(231.5,77) v1(231.5,74) v1(231.5,71) v1(231.5,70) v1(231.499,66) v1(231.499,65) v1(231.499,62) v1(231.499,59) v1(231.499,57) v1(231.499,54) v1(231.499,53) v1(231.499,50) 231.5,46 v1(231.5,45) v1(231.5,43) v1(231.5,35) v1(231.5,30) cw(c227,30) v1(227,25.5) 225,25.5 224,25.5 221,25.5 217,25.5 v1(214,25.5) v1(212,25.5) v1(211,25.5) v1(207,25.5) v1(204,25.5) v1(201,25.5) v1(197,25.5) ccw(c197,20) v1(191.5,20) ; v1(191.5,5) v1(191.5,7) v1(191.5,12) v1(191.5,13) v1(191.5,15) v1(191.5,20)